# Altium PCB PCB1.PcbDoc (continued)
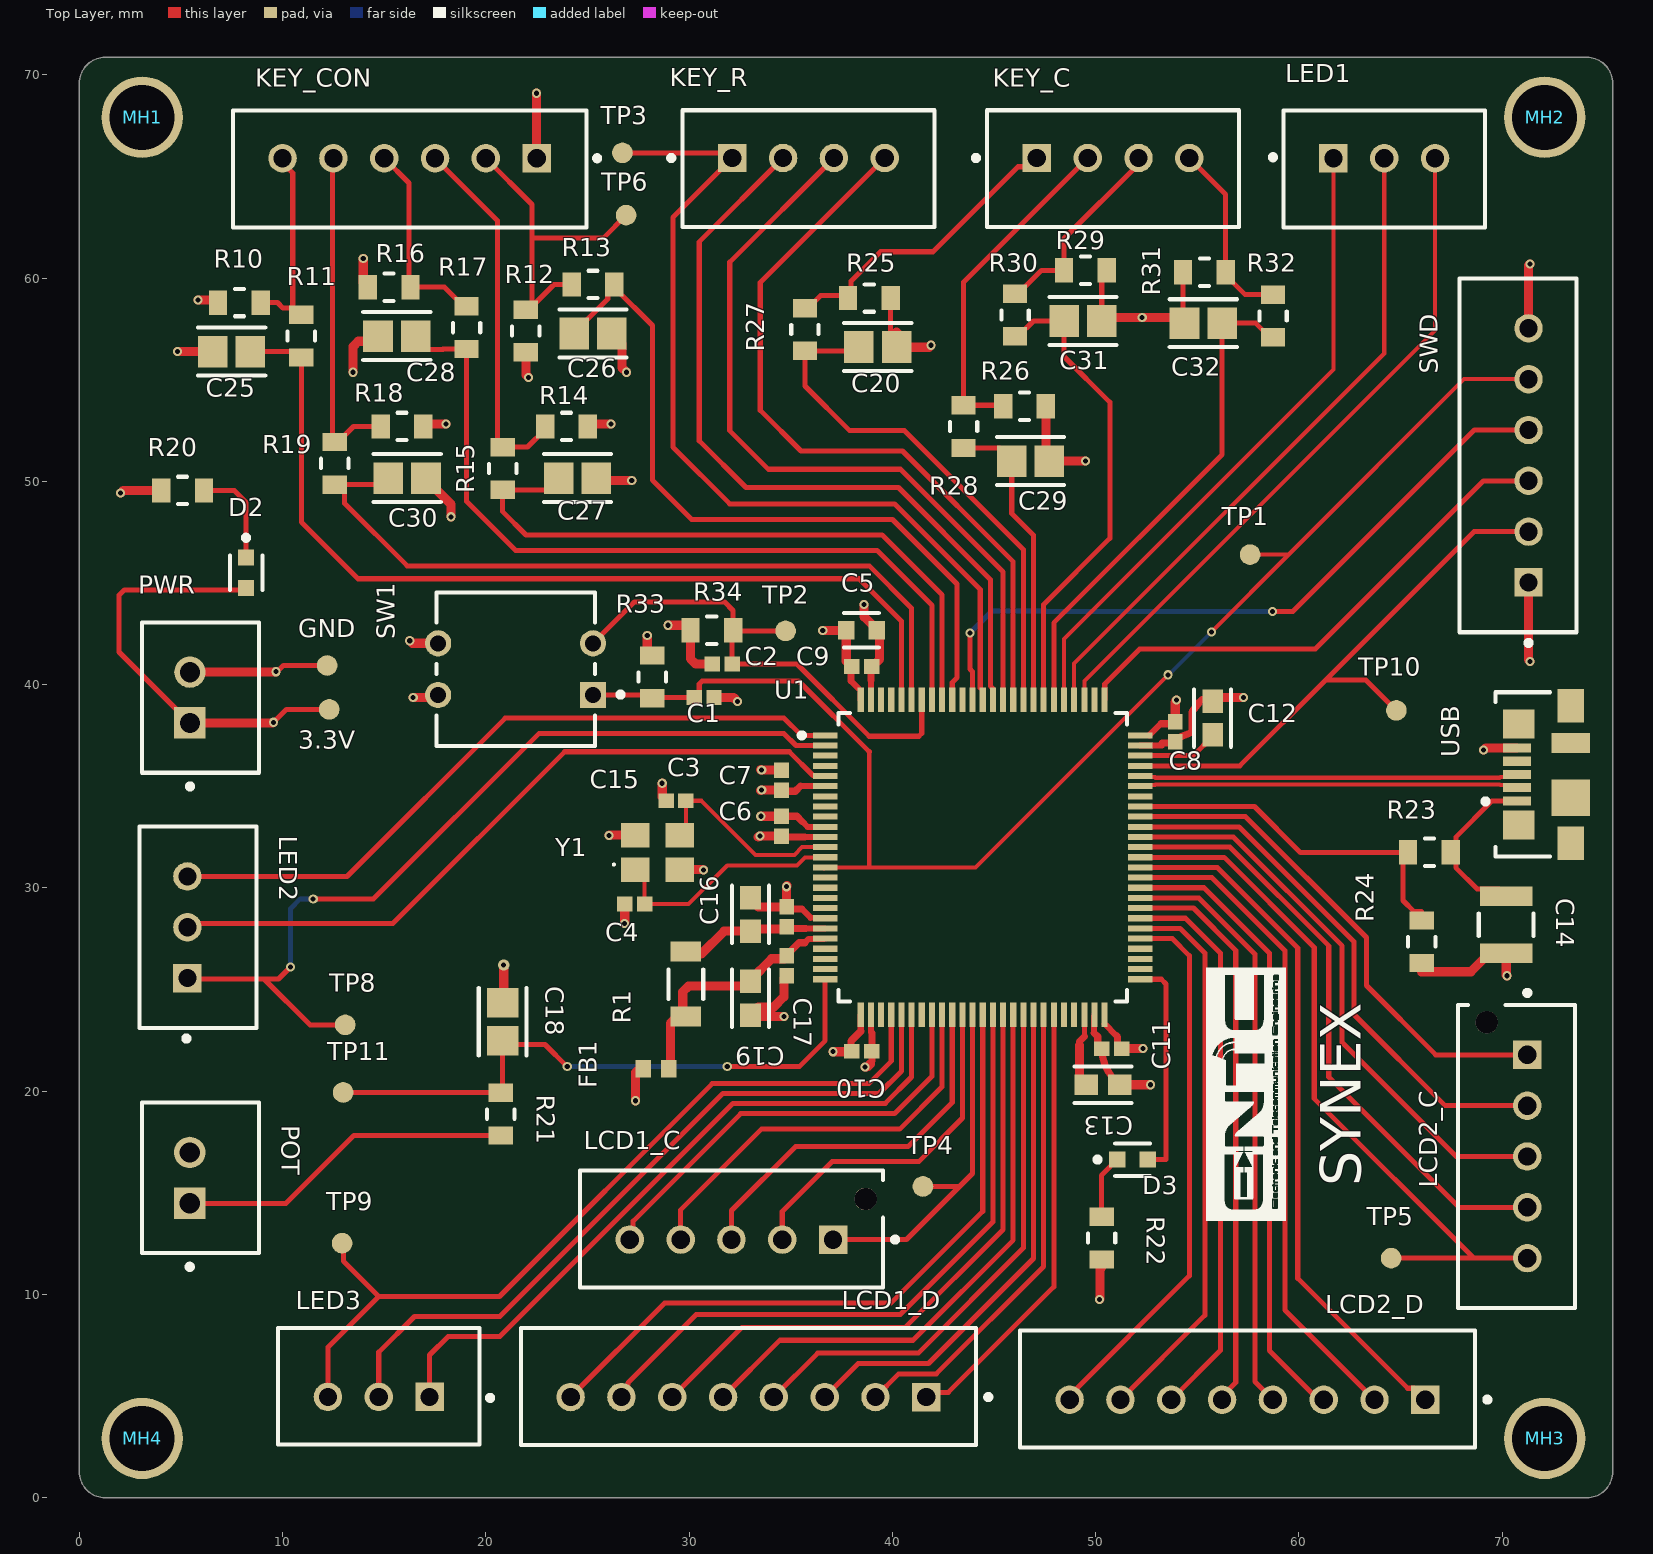
[diagram p0: Top Layer view]
## Part data (continued)
R11 R13 R15 R17 R19 R20 R22 R27 R28 R30 R32: library part CMP-03412-005404-1, "RMC08051K5%N", Manufacturer=Yageo, Manufacturer Part Number=SR0805FR-4710KL, Package=SR0805, Power Rating=0.5W, Resistance=10KΩ, Temperature="-55°C to +155°C", Temperature Range High=+155°C, Temperature Range Low=-55°C, Tolerance=0.01, Voltage Rating=150V, Automotive=Yes, Automotive Grade="Grade 0", Category=Res, ComponentLink2Description=Datasheet, ComponentLink2URL=http://www.yageo.com/documents/recent/PYu-SR_D_F%20tol_RoHS_L_3.pdf, Composition="Thick Film", Device Class L1="Passive Components", Device Class L2=Resistors, Device Class L3="Chip SMD Resistors", Digikey Description="RES SMD 0805 1/2W 1% 10K OHM", Footprint Url=http://www.yageo.com/exep/pages/download/literatures/PYu-R_Mount_10.pdf, Height=0.6mm, Ipc Land Pattern Name=RESC200125X50, Lead Free=Yes, Octopart=https://octopart.com/sr0805fr-4710kl-yageo-91478094, RoHS=TRUE, Series=SR
R21: library part CMP-03412-005404-1, "0805W8F1501T5E", Manufacturer=Yageo, Manufacturer Part Number=SR0805FR-4710KL, Package=SR0805, Power Rating=0.5W, Resistance=10KΩ, Temperature="-55°C to +155°C", Temperature Range High=+155°C, Temperature Range Low=-55°C, Tolerance=0.01, Voltage Rating=150V, Automotive=Yes, Automotive Grade="Grade 0", Category=Res, ComponentLink2Description=Datasheet, ComponentLink2URL=http://www.yageo.com/documents/recent/PYu-SR_D_F%20tol_RoHS_L_3.pdf, Composition="Thick Film", Device Class L1="Passive Components", Device Class L2=Resistors, Device Class L3="Chip SMD Resistors", Digikey Description="RES SMD 0805 1/2W 1% 10K OHM", Footprint Url=http://www.yageo.com/exep/pages/download/literatures/PYu-R_Mount_10.pdf, Height=0.6mm, Ipc Land Pattern Name=RESC200125X50, Lead Free=Yes, Octopart=https://octopart.com/sr0805fr-4710kl-yageo-91478094, RoHS=TRUE, Series=SR
R23: library part CMP-03412-005404-1, "0805W8F8202T5E", Manufacturer=Yageo, Manufacturer Part Number=SR0805FR-4710KL, Package=SR0805, Power Rating=0.5W, Resistance=10KΩ, Temperature="-55°C to +155°C", Temperature Range High=+155°C, Temperature Range Low=-55°C, Tolerance=0.01, Voltage Rating=150V, Automotive=Yes, Automotive Grade="Grade 0", Category=Res, ComponentLink2Description=Datasheet, ComponentLink2URL=http://www.yageo.com/documents/recent/PYu-SR_D_F%20tol_RoHS_L_3.pdf, Composition="Thick Film", Device Class L1="Passive Components", Device Class L2=Resistors, Device Class L3="Chip SMD Resistors", Digikey Description="RES SMD 0805 1/2W 1% 10K OHM", Footprint Url=http://www.yageo.com/exep/pages/download/literatures/PYu-R_Mount_10.pdf, Height=0.6mm, Ipc Land Pattern Name=RESC200125X50, Lead Free=Yes, Octopart=https://octopart.com/sr0805fr-4710kl-yageo-91478094, RoHS=TRUE, Series=SR
R24: library part CMP-03412-005404-1, "0805W8F3302T5E", Manufacturer=Yageo, Manufacturer Part Number=SR0805FR-4710KL, Package=SR0805, Power Rating=0.5W, Resistance=10KΩ, Temperature="-55°C to +155°C", Temperature Range High=+155°C, Temperature Range Low=-55°C, Tolerance=0.01, Voltage Rating=150V, Automotive=Yes, Automotive Grade="Grade 0", Category=Res, ComponentLink2Description=Datasheet, ComponentLink2URL=http://www.yageo.com/documents/recent/PYu-SR_D_F%20tol_RoHS_L_3.pdf, Composition="Thick Film", Device Class L1="Passive Components", Device Class L2=Resistors, Device Class L3="Chip SMD Resistors", Digikey Description="RES SMD 0805 1/2W 1% 10K OHM", Footprint Url=http://www.yageo.com/exep/pages/download/literatures/PYu-R_Mount_10.pdf, Height=0.6mm, Ipc Land Pattern Name=RESC200125X50, Lead Free=Yes, Octopart=https://octopart.com/sr0805fr-4710kl-yageo-91478094, RoHS=TRUE, Series=SR
SW1: library part CMP-03400-000012-1, "SWITCH SLIDE DIP SPST 100MA 24V", Contact Current Rating=100mA, Contact Resistance=50mΩ, Manufacturer="TE Connectivity", Temperature="-30°C to +85°C", Temperature Range High=+85°C, Temperature Range Low=-30°C, Voltage Rating Dc=24V, Automotive=No, Category=Switch, ComponentLink2Description=Datasheet, ComponentLink2URL=https://www.te.com/commerce/DocumentDelivery/DDEController?Action=srchrtrv&DocNm=1825057&DocType=Customer+Drawing&DocLang=English, Device Class L1=Electromechanical, Device Class L2=Switches, Device Class L3="DIP Switches", Digikey Description="SWITCH SLIDE DIP SPST 100MA 24V", Electromechanical Life=1000Cycles, Height=6.15mm, Lead Free=Yes, Manufacturer Part Number=1825057-1, Mount="Through Hole", Number Of Circuits=2, Octopart=https://octopart.com/1825057-1-te+connectivity-46507313, Package=1825057-1, RoHS=TRUE, Standoff Height=1.3mm, Throw Configuration=SPST
U1: library part CMP-12105-000050-1, "IC MCU 32BIT 2MB FLASH 100LQFP", Ambient Temperature Range High=+85°C, Ambient Temperature Range Low=-40°C, Frequency=480MHz, Manufacturer=STMicroelectronics, Max Junction Temp=+125°C, Max Supply Voltage=3.6V, Min Supply Voltage=1.71V, Package=LQFP100-1L, Temperature="-40°C to +125°C", Automotive=No, Category=IC, ComponentLink2Description=Datasheet, ComponentLink2URL=https://www.st.com/resource/en/datasheet/stm32h743vi.pdf, Core Architecture="Arm Cortex-M7", Data Bus Width=32bits, Device Class L1="Integrated Circuits (ICs)", Device Class L2="Embedded Processors and Controllers", Device Class L3=Microcontrollers, Digikey Description="IC MCU 32BIT 2MB FLASH 100LQFP", Height=1.6mm, Interface=I2C,SPI,UART,USART,USB,LIN,IrDA,Ethernet,I2S,Other, Ipc Land Pattern Name=QFP50P1600X1600X160-100, Lead Free=Yes, Manufacturer Part Number=STM32H743VIT6, Memory Size=2MBytes, Memory Type=FLASH, Number Of A/D Converters=3, Number Of Adc Channels=36, Number Of Cores=1, Number Of Ethernet Channels=1, Number Of I2C Channels=4, Number Of I/Os=82, Number Of Pwm Channels=42, Number Of Spi Channels=6, Number Of Timers/Counters=20, Number Of Uart Channels=9, Number Of Usb Channels=2, Octopart=https://octopart.com/stm32h743vit6-stmicroelectronics-76372527, Ram Size=1060KBytes, RoHS=TRUE, Standoff Height=0.05mm, Temperature Range High=+125°C, Temperature Range Low=-40°C
USB: library part CMP-002-00071-1, "Micro-USB B Receptacle with Flange, Bottom Mount, Surface Mount, Lead-Free", Max Operating Temperature=85°C, Min Operating Temperature=-30°C, Voltage Rating=30V, Connector Type="Receptacle, USB", Gender=Female, Mounting Technology="Surface Mount", Pins=6
Y1: "Crystal or Oscillator", Manufacturer_Name="Yangxing Tech", Datasheet Link=https://datasheet.lcsc.com/szlcsc/Yangxing-Tech-X322525MOB4SI_C9006.pdf, Height=0.8mm, Manufacturer_Part_Number=X322525MOB4SI

## Via types
v1: diameter 0.45, hole 0.25, Top Layer to Bottom Layer, 54 vias
v2: diameter 0.55, hole 0.25, Top Layer to Bottom Layer, 1 vias

## Nets (pads, with @x,y where several pads share a name; then routed paths per layer and width w, separated by ;. In a path a pad name is that pad's centre, name@x,y a point inside that pad or via, vN(x,y) a via of type N, cw(c..) or ccw(c..) an arc to the next point about the centre after c; other vN are vias at no path point)
+3.3V: 3.3V.1 C5.1 C6.2 C7.2 C8.2 C9.2 C10.2 C11.2 D2.2 FB1.1 PWR.1 R10.1 R12.1 R14.1 R16.1 R18.1 R33.2 SW1.3 SWD.1 U1.6 U1.11 U1.27 U1.50 U1.75 U1.100 | length 56
  Top Layer w0.25: PWR.1 1.956,41.608 1.956,44.406 2.219,44.669 8.069,44.669 D2.2@8.153,44.753 ; v1@9.52,38.12 v1(9.55,38.151) 10.185,38.786 3.3V.1 ; U1.11@36.692,32.512 U1.11 ; U1.50@50.445,23.309 U1.50 ; U1.75 U1.75@52.645,37.509
  Top Layer w0.3: 35.476,35.009 U1.6 ; 35.687,32.512 U1.11@36.692,32.512 ; 37.973,40.181 38.445,39.709 U1.100 ; U1.27 38.945,22.904 38.989,22.86 ; U1.50@50.445,23.309 51.021,22.733 ; U1.75@52.645,37.509 53.213,38.077
  Top Layer w0.35: C6.2 34.58,32.512 35.687,32.512 ; C7.2@34.544,34.942 34.729,34.757 35.224,34.757 35.476,35.009 ; 37.973,40.181 37.973,40.858 C9.2 ; 38.913,21.336 ccw(c38.729,21.52) 38.989,21.52 C10.2 38.989,22.86 ; 51.021,22.733 51.085,22.669 51.085,22.283 51.27,22.098 C11.2 ; 53.213,38.077 53.815,38.077 C8.2
  Top Layer w0.45: PWR.1 v1@9.52,38.12 ; v1(5.842,58.928) 6.697,58.928 R10.1 ; v1(13.97,60.96) 13.97,59.783 R16.1 ; v1(16.256,42.164) 16.383,42.037 SW1.3 ; R18.1 17.052,52.832 v1(18.034,52.832) ; R12.1 21.971,55.245 v1(22.098,55.118) ; R14.1 25.146,52.832 v1(26.162,52.832) ; v1(27.356,19.533) 27.356,20.917 FB1.1@27.546,21.107 ; v1(27.94,42.418) 27.94,41.661 28.165,41.436 R33.2 ; v1@33.401,32.512 cw(c33.488,32.425) v1(33.488,32.548) C6.2 ; v1@33.528,34.798 cw(c33.571,34.755) v1(33.571,34.816) C7.2 ; v1(36.576,42.672) C5.1 37.731,41.172 37.854,41.049 37.854,41.029 37.989,40.894 C9.2 ; v1(38.659,21.184) ccw(c38.659,21.429) 38.832,21.255 38.913,21.336 ; C11.2 v1(52.324,22.098) ; C8.2 53.915,39.098 cw(c54.12,39.098) v1(53.975,39.243) ; SWD.1 71.298,41.224 v1(71.374,41.148)
+5V: C14.1 R23.2 USB.1 | length 8.4
  Top Layer w0.25: R23.2@67.773,31.801 R23.2@67.722,31.75 ; C14.1 69.85,29.944 68.777,29.944 67.722,30.999 R23.2@67.722,31.75 ; USB.1 69.506,34.285 67.722,32.501 R23.2@67.722,31.75
B1DS: LED1.1 U1.80 | length 32.1
  Top Layer w0.2: U1.80 48.445,42.245 61.7,55.5 LED1.1
B1SHCP: LED1.2 U1.79 | length 33
  Top Layer w0.2: U1.79 48.945,41.045 64.2,56.3 LED1.2
B1STCP: LED1.3 U1.78 | length 33.8
  Top Layer w0.2: U1.78 49.445,40.174 66.7,57.429 LED1.3
B2DS: LED2.2 U1.5 | length 35.5
  Top Layer w0.25: LED2.2 5.501,28.251 15.424,28.251 23.876,36.703 34.925,36.703 36.094,35.534 36.67,35.534 U1.5
B2SHCP: LED2.3 U1.1 | length 35
  Top Layer w0.25: LED2.3 13.168,30.567 20.955,38.354 34.671,38.354 35.516,37.509 U1.1
B2STCP: LED2.1 TP8.1 U1.2 | length 43.2
  Top Layer w0.25: LED2.1 5.357,25.527 9.086,25.527 ; v1(10.389,26.111) 9.804,25.527 9.086,25.527 ; v1(11.506,29.464) 14.478,29.464 22.606,37.592 34.671,37.592 35.254,37.009 U1.2 ; TP8.1 11.346,23.266 9.086,25.527
  Bottom Layer w0.25: v1(10.389,26.111) 10.389,28.981 10.871,29.464 v1(11.506,29.464)
BOOT: C2.2 R34.2 SW1.2 TP2.1 U1.94 | length 25.6
  Top Layer w0.25: SW1.2 27.305,44.069 31.75,44.069 32.165,43.654 R34.2 ; TP2.1 32.14,42.647 32.113,42.62 C2.2 35.306,41.021 38.862,37.465 41.299,37.465 41.445,37.611 U1.94
D1_CS: LCD1_C.2 U1.36 | length 17.2
  Top Layer w0.25: LCD1_C.2 34.584,14.086 37.033,16.535 41.3,16.535 43.445,18.68 U1.36
D1_D0: LCD1_D.8 U1.38 | length 33.7
  Top Layer w0.25: LCD1_D.8 28.789,9.572 39.925,9.572 44.445,14.092 U1.38
D1_D1: LCD1_D.7 U1.39 | length 32.3
  Top Layer w0.25: LCD1_D.7 26.67,5.264 26.99,5.584 26.99,5.654 30.353,9.017 40.386,9.017 44.945,13.576 U1.39
D1_D2: LCD1_D.6 U1.40 | length 30.3
  Top Layer w0.25: LCD1_D.6 32.599,8.382 40.64,8.382 45.445,13.187 U1.40
D1_D3: LCD1_D.5 U1.41 | length 28.6
  Top Layer w0.25: LCD1_D.5 34.464,7.747 41.021,7.747 45.945,12.671 U1.41
D1_D4: LCD1_D.4 U1.42 | length 26.8
  Top Layer w0.25: LCD1_D.4 36.329,7.112 41.275,7.112 46.445,12.282 U1.42
D1_D5: LCD1_D.3 U1.43 | length 25.2
  Top Layer w0.25: LCD1_D.3 36.67,5.174 36.891,5.174 38.321,6.604 41.783,6.604 46.945,11.766 U1.43
D1_D6: LCD1_D.2 U1.44 | length 23.3
  Top Layer w0.25: LCD1_D.2 40.313,6.096 42.164,6.096 47.445,11.377 U1.44
D1_D7: LCD1_D.1 U1.45 | length 21.9
  Top Layer w0.25: LCD1_D.1 41.901,5.184 42.751,5.184 47.945,10.379 U1.45
D1_RD: LCD1_C.5 U1.33 | length 21.6
  Top Layer w0.25: LCD1_C.5 27.247,12.863 27.247,13.608 32.537,18.898 40.107,18.898 41.945,20.736 U1.33
D1_RS: LCD1_C.3 U1.35 | length 18.8
  Top Layer w0.25: LCD1_C.3 32.084,14.126 35.23,17.272 40.767,17.272 42.945,19.45 U1.35
D1_RST: LCD1_C.1 TP4.1 U1.37 | length 17.9
  Top Layer w0.25: LCD1_C.1 40.691,12.7 43.357,15.366 ; TP4.1 43.307,15.316 43.357,15.366 ; U1.37 43.945,15.954 43.357,15.366
D1_WR: LCD1_C.4 U1.34 | length 20.4
  Top Layer w0.25: LCD1_C.4 29.584,14.166 33.553,18.136 40.361,18.136 42.445,20.22 U1.34
D2_CS: LCD2_C.2 U1.66 | length 26.8
  Top Layer w0.25: U1.66 57.06,33.009 62.713,27.356 62.713,23.774 67.198,19.289 LCD2_C.2
D2_D0: LCD2_D.8 U1.55 | length 27
  Top Layer w0.25: LCD2_D.8 48.721,5.033 54.61,10.922 54.61,26.67 53.771,27.509 U1.55
D2_D1: LCD2_D.7 U1.56 | length 27.4
  Top Layer w0.25: LCD2_D.7 55.372,8.977 55.372,26.797 54.16,28.009 U1.56
D2_D2: LCD2_D.6 U1.57 | length 27.6
  Top Layer w0.25: U1.57 54.422,28.509 56.134,26.797 56.134,7.239 LCD2_D.6
D2_D3: LCD2_D.5 U1.58 | length 27.9
  Top Layer w0.25: U1.58 54.811,29.009 56.896,26.924 56.896,5.671 56.221,4.996 LCD2_D.5
D2_D4: LCD2_D.4 U1.59 | length 29.1
  Top Layer w0.25: U1.59 55.073,29.509 57.832,26.75 57.832,5.715 LCD2_D.4
D2_D5: LCD2_D.3 U1.60 | length 30.9
  Top Layer w0.25: U1.60 55.335,30.009 58.547,26.797 58.547,7.239 60.96,4.826 LCD2_D.3
D2_D6: LCD2_D.2 U1.61 | length 32.5
  Top Layer w0.25: U1.61 55.724,30.509 59.309,26.924 59.309,9.238 LCD2_D.2
D2_D7: LCD2_D.1 U1.62 | length 34.4
  Top Layer w0.25: U1.62 55.986,31.009 59.944,27.051 59.944,10.795 65.352,5.387 65.66,5.387 LCD2_D.1
D2_RD: LCD2_C.5 TP5.1 U1.63 | length 35.6
  Top Layer w0.25: U1.63 56.324,31.509 60.757,27.076 60.757,19.634 68.602,11.789 ; TP5.1 68.598,11.786 68.602,11.789 ; LCD2_C.5 68.602,11.789
D2_RS: LCD2_C.3 U1.65 | length 28.3
  Top Layer w0.25: U1.65 56.772,32.509 62.128,27.153 62.128,22.403 67.742,16.789 LCD2_C.3
D2_RST: LCD2_C.1 U1.67 | length 25.3
  Top Layer w0.25: U1.67 57.372,33.509 63.322,27.559 63.322,25.197 66.73,21.789 LCD2_C.1
D2_WR: LCD2_C.4 U1.64 | length 30.2
  Top Layer w0.25: U1.64 56.612,32.009 61.468,27.153 61.468,20.701 67.88,14.289 LCD2_C.4
DOWN: C27.1 R15.1 U1.92 | length 32.5
  Top Layer w0.25: C27.1 23.009,49.589 R15.1 20.828,48.514 21.971,47.371 39.497,47.371 42.445,44.423 U1.92
DOWN_I: KEY_CON.3 R14.2 R15.2 | length 18.2
  Top Layer w0.25: KEY_CON.3 20.574,62.826 20.574,51.943 R15.2 22.053,51.689 22.919,52.555 R14.2
GND: C1.1 C2.1 C3.2 C4.1 C5.2 C6.1 C7.1 C8.1 C9.1 C10.1 C11.1 C12.2 C13.2 C14.2 C15.1 C16.2 C17.1 C18.2 C19.2 C20.2 C25.2 C26.2 C27.2 C28.2 C29.2 C30.2 C31.2 C32.2 GND.1 KEY_CON.1 PWR.2 R20.1 R22.1 R24.1 R25.1 R26.1 R29.1 R31.1 R34.1 SW1.4 SWD.6 U1.10 U1.19 U1.26 U1.49 U1.74 U1.99 USB.5 Y1.2 Y1.4 | length 101.5
  Top Layer w0.25: v1(9.677,40.64) 9.732,40.64 10.036,40.945 GND.1 ; 35.982,28.534 36.67,28.534 U1.19 ; R25.1 39.916,56.903 C20.2 ; U1.49@49.92,23.734 U1.49 ; C31.2@50.3,58.121 50.3,60.135 R29.1 ; C32.2@54.3,57.859 R31.1
  Top Layer w0.3: 35.56,28.956 35.982,28.534 ; 35.56,33.274 35.825,33.009 U1.10 ; 38.445,22.951 U1.26 ; U1.99 38.945,40.215 ; 49.92,22.869 U1.49@49.92,23.734 ; U1.74 53.265,37.009 53.265,37.136
  Top Layer w0.35: C6.1 35.306,33.528 35.56,33.274 ; C15.1 34.907,28.956 35.56,28.956 ; C10.1 37.973,22.007 37.973,22.479 38.445,22.951 ; 38.945,40.215 38.945,40.85 C9.1 ; 49.92,22.869 50.105,22.685 50.105,22.283 50.29,22.098 C11.1 ccw(c52.492,22.098) 50.949,20.555 C13.2 ; 53.265,37.136 C8.1@53.874,37.136 ; C8.1 54.1,37.401 54.737,37.662 54.737,38.663 55.115,39.148 55.232,39.265 55.421,39.265 C12.2
  Top Layer w0.45: v1(2.032,49.428) 2.159,49.555 R20.1 ; v1(4.826,56.388) C25.2 ; PWR.2 9.657,40.62 v1(9.677,40.64) ; v1(13.462,55.372) 13.462,56.632 13.726,56.896 14.441,56.896 C28.2 ; v1(16.425,39.37) 17.526,39.37 SW1.4 ; C30.2 17.055,50.114 18.288,48.881 v1(18.288,48.26) ; C18.2 20.879,24.395 v2(20.879,26.213) ; KEY_CON.1 v1(22.5,69.1) ; C27.2 25.564,50.038 v1(27.178,50.038) ; v1(26.06,32.588) 26.072,32.6 Y1.4 ; C26.2 26.701,56.775 26.701,55.595 v1(26.924,55.372) ; v1(26.822,28.245) 26.833,28.255 C4.1 ; v1(28.677,35.154) 28.677,34.478 28.71,34.445 28.71,34.425 28.845,34.29 C3.2 ; v1(28.956,42.926) 29.84,42.926 R34.1@30.065,42.701 ; Y1.2 30.695,30.9 v1(30.709,30.886) ; R34.1 30.065,41.285 30.329,41.021 C2.1 ; C1.1 32.182,39.37 v1(32.385,39.167) ; C19.2 ccw(c33.197,23.923) 33.197,23.673 v1(34.671,23.673) ; C19.2@33.02,23.819 33.301,24.1 33.374,24.1 33.404,24.13 34.153,24.13 34.663,24.64 34.663,25.555 C17.1 ; C16.2 33.02,29.456 33.411,29.065 C15.1 v1(34.798,30.063) cw(c34.885,30.063) v1@34.823,30.124 ; v1(33.528,33.528) C6.1 ; v1@33.528,35.814 ccw(c33.571,35.857) v1(33.571,35.796) C7.1 ; v1(37.084,21.946) 37.948,21.946 ccw(c37.948,22.032) C10.1 ; v1(38.608,43.942) 38.608,43.345 39.231,42.722 C5.2 39.37,42.533 39.37,41.255 39.009,40.894 C9.1 ; C20.2 C20.2@40.5,56.319 ; C20.2@40.207,57.34 40.545,57.001 C20.2@40.545,56.365 ; C20.2@40.545,56.436 40.709,56.6 41.8,56.6 v1(41.9,56.7) ; R26.1 47.55,51.176 C29.2 v1(49.5,51) ; v1(50.19,9.754) 50.216,9.779 50.216,11.248 R22.1@50.292,11.324 ; C31.2@50.3,58.121 50.363,58.058 v1(52.29,58.058) 54.101,58.058 C32.2 C32.2@54.3,57.859 ; C13.2 v1(52.705,20.32) ; C12.2 cw(c56.209,38.725) 56.209,39.37 v1(57.277,39.37) ; R24.1@66.04,25.879 68.46,25.879 69.375,26.794 C14.2 70.2,25.711 v1(70.231,25.679) ; v1(69.088,36.779) 69.194,36.885 USB.5 ; SWD.6 71.298,60.63 v1(71.374,60.706)
K_C1: C20.1 R27.1 U1.84 | length 25.9
  Top Layer w0.25: C20.1 38.169,56.426 R27.1 35.7,54.7 37.9,52.5 40.6,52.5 46.445,46.655 U1.84
K_C1_I: KEY_C.1 R25.2 R27.2 | length 15
  Top Layer w0.25: R27.2 35.85,58.526 36.476,59.152 37.689,59.152 R25.2 ; R25.2@37.752,59.025 37.752,59.152 37.969,59.369 37.969,59.854 39.416,61.3 42,61.3 46.181,65.481 46.678,65.481 KEY_C.1
K_C2: C29.1 R28.1 U1.83 | length 14.9
  Top Layer w0.25: R28.1 45.272,51.65 45.874,51.048 C29.1 45.874,48.426 46.945,47.355 U1.83
K_C2_I: KEY_C.2 R26.2 R28.2 | length 16.7
  Top Layer w0.25: R26.2 45.4,53.75 R28.2 43.5,59.803 KEY_C.2
K_C3: C31.1 R30.1 U1.82 | length 24.7
  Top Layer w0.25: R30.1@45.781,56.886 R30.1 46.185,57.14 46.939,57.894 C31.1 ; U1.82 47.445,43.945 50.7,47.2 50.7,53.9 48.448,56.152 C31.1 ; C31.1@48.448,58.553 C31.1
K_C3_I: KEY_C.3 R29.2 R30.2 | length 9.9
  Top Layer w0.25: R30.2 46.185,59.24 47.328,60.383 R29.2 48.448,61.948 52.11,65.61 KEY_C.3
K_C4: C32.1 R32.1 U1.81 | length 24.7
  Top Layer w0.25: U1.81 47.945,43.045 56.225,51.325 C32.1 57.884,57.785 58.578,57.091 R32.1
K_C4_I: KEY_C.4 R31.2 R32.2 | length 9.2
  Top Layer w0.25: KEY_C.4 56.4,64.123 R31.2 56.4,60.15 57.359,59.191 R32.2
K_R1: KEY_R.1 TP3.1 U1.88 | length 44.4
  Top Layer w0.25: TP3.1 31.87,66.167 KEY_R.1 29.2,62.989 29.2,51.696 31.996,48.9 40.1,48.9 44.322,44.678 44.322,39.832 44.445,39.709 U1.88
K_R2: KEY_R.2 U1.87 | length 38.7
  Top Layer w0.25: KEY_R.2 30.5,61.789 30.5,52 32.8,49.7 40.3,49.7 44.822,45.178 44.822,39.928 44.92,39.83 44.92,39.284 U1.87
K_R3: KEY_R.3 U1.86 | length 38.2
  Top Layer w0.25: KEY_R.3 32,60.789 32,52.5 33.9,50.6 40.4,50.6 45.445,45.555 U1.86
K_R4: KEY_R.4 U1.85 | length 37.3
  Top Layer w0.25: KEY_R.4 33.5,59.789 33.5,53.5 35.5,51.5 40.5,51.5 45.945,46.055 U1.85
LEFT: C28.1 R17.1 U1.93 | length 40
  Top Layer w0.25: C28.1 16.547,57.099 17.149,56.497 17.874,56.497 17.88,56.492 17.903,56.515 R17.1 19.05,49.022 21.463,46.609 39.243,46.609 41.945,43.907 U1.93
LEFT_I: KEY_CON.4 R16.2 R17.2 | length 10
  Top Layer w0.25: KEY_CON.4 16.216,64.684 16.216,59.637 R16.2 17.952,59.563 18.9,58.615 R17.2
NetC3_1: C3.1 U1.12 Y1.3 | length 9.9
  Top Layer w0.2: Y1.3 29.845,32.897 C3.1 30.607,34.29 33.274,31.623 35.177,31.623 35.563,32.009 U1.12
NetC4_2: C4.2 U1.13 Y1.1 | length 11.7
  Top Layer w0.2: Y1.1 27.813,30.435 C4.2 29.972,29.21 31.877,31.115 35.306,31.115 35.7,31.509 U1.13
NetC12_1: C12.1 U1.73 | length 4
  Top Layer w0.25: U1.73 54.808,36.509 55.753,37.454 C12.1
NetC13_1: C13.1 U1.48 | length 3.7
  Top Layer w0.25: 49.445,22.699 U1.48
  Top Layer w0.35: 49.2,22.25 49.2,22.454 49.445,22.699
  Top Layer w0.45: 49.2,22.25 49.2,20.601 49.481,20.32 C13.1
NetC15_2: C15.2 C16.1 R1.2 U1.20 | length 7.4
  Top Layer w0.3: 35.756,28.009 U1.20
  Top Layer w0.35: C15.2 34.874,28.009 35.756,28.009
  Top Layer w0.45: R1.2@29.845,26.75 30.595,26.75 31.72,27.875 C16.1 33.125,27.98 34.693,27.98 C15.2
NetC17_2: C17.2 C19.1 FB1.2 R1.1 U1.21 | length 12
  Top Layer w0.25: U1.21@36.67,27.484 U1.21
  Top Layer w0.3: 35.687,27.305 35.866,27.484 U1.21@36.67,27.484
  Top Layer w0.35: C17.2@34.798,26.69 35.413,27.305 35.687,27.305
  Top Layer w0.45: FB1.2@29.082,21.336 29.082,23.342 29.536,23.796 R1.1@29.845,23.796 ; R1.1@29.687,23.954 29.687,24.886 29.972,25.171 32.791,25.171 C19.1 ; C19.1@33.02,25.473 34.062,26.515 34.663,26.515 34.798,26.65 C17.2
NetD2_1: D2.1 R20.2 | length 5
  Top Layer w0.25: R20.2 7.62,49.555 8.204,48.971 D2.1
NetD3_1: D3.1 R22.2 | length 2.7
  Top Layer w0.25: R22.2@50.292,14.224 50.292,15.863 D3.1
NetPOT_1: POT.1 R21.2 | length 16.7
  Top Layer w0.25: POT.1 10.169,14.487 13.504,17.822 R21.2
NRST: C1.2 R33.1 SW1.1 SWD.5 TP1.1 U1.14 | length 68
  Top Layer w0.2: R33.1@28.033,39.497 R33.1 ; U1.14@36.645,30.959 U1.14 38.862,31.009 ; 38.862,36.703 38.862,31.009 ; v1(53.569,40.488) 44.09,31.009 38.862,31.009 ; v1(55.7,42.6) 59.55,46.45 ; TP1.1 59.5,46.4 59.55,46.45 ; SWD.5 68.131,55.031 59.55,46.45
  Top Layer w0.25: SW1.1 R33.1@28.033,39.497 ; R33.1 28.228,39.37 30.264,39.37 30.499,39.605 30.499,40.036 30.645,40.183 35.382,40.183 38.862,36.703
  Bottom Layer w0.2: v1(53.569,40.488) 53.578,40.488 55.691,42.6 v1(55.7,42.6)
OK: C25.1 R11.1 U1.96 | length 46.1
  Top Layer w0.25: C25.1 10.634,56.388 R11.1 10.922,48.006 13.716,45.212 38.354,45.212 40.445,43.121 U1.96
OK_I: KEY_CON.6 R10.2 R11.2 | length 9.9
  Top Layer w0.25: R10.2 9.749,58.801 10.025,58.525 R11.2@10.5,58.525 ; KEY_CON.6 10,65.679 10.5,65.179 R11.2@10.5,58.525 ; R11.2 R11.2@10.597,58.525 ; R11.2@10.5,58.525 R11.2@10.597,58.525 ; R11.2@10.5,58.525 R11.2@10.597,58.525
P1: C18.1 R21.1 TP11.1 U1.25 | length 30.3
  Top Layer w0.25: TP11.1 20.71,19.939 R21.1 20.828,20.024 C18.1 21.02,22.301 22.911,22.301 v1(24.003,21.209) ; v1(31.877,21.209) 35.418,21.209 36.695,22.487 U1.25
  Bottom Layer w0.25: v1(24.003,21.209) v1(31.877,21.209)
RIGHT: C30.1 R19.1 U1.95 | length 38.5
  Top Layer w0.25: C30.1 14.881,49.843 R19.1 12.723,49.843 13.048,49.518 13.048,48.928 16.129,45.847 38.862,45.847 40.945,43.764 U1.95
RIGHT_I: KEY_CON.5 R18.2 R19.2 | length 16.6
  Top Layer w0.25: KEY_CON.5 12.446,65.846 12.446,52.07 R19.2 12.723,51.943 13.485,52.705 R18.2
S1DS: LED3.1 U1.31 | length 34.5
  Top Layer w0.25: LED3.1 17.232,7.021 18.146,7.936 20.686,7.936 32.156,19.406 39.649,19.406 40.945,20.701 U1.31
S2SHCP: LED3.3 TP9.1 U1.29 | length 41.6
  Top Layer w0.25: LED3.3 12.232,7.406 14.732,9.906 ; TP9.1 12.999,12.452 12.999,11.639 14.732,9.906 ; U1.29 39.945,21.479 38.837,20.371 31.14,20.371 20.676,9.906 14.732,9.906
S2STCP: LED3.2 U1.30 | length 36.4
  Top Layer w0.25: LED3.2 14.732,7.163 16.485,8.915 20.689,8.915 31.662,19.888 39.345,19.888 40.445,20.989 U1.30
SWCLK: SWD.3 U1.76 | length 25.8
  Top Layer w0.25: U1.76 50.449,39.263 50.449,40.035 52.172,41.758 60.808,41.758 69.081,50.031 SWD.3
SWDIO: SWD.2 TP10.1 U1.72 | length 28
  Top Layer w0.25: U1.72 57.091,36.009 61.319,40.237 ; TP10.1 63.293,40.237 61.319,40.237 ; SWD.2 68.613,47.531 61.319,40.237
SWO: SWD.4 U1.89 | length 35
  Top Layer w0.25: v1(43.815,42.545) 43.815,40.767 43.945,40.637 U1.89 ; v1(58.7,43.6) 59.7,43.6 68.631,52.531 SWD.4
  Bottom Layer w0.25: v1(43.815,42.545) 44.9,43.63 47.556,43.63 47.586,43.6 v1(58.7,43.6)
Test: D3.2 U1.51 | length 10.9
  Top Layer w0.25: U1.51 53.231,25.509 53.467,25.273 53.467,16.637 D3.2
UP: C26.1 R13.1 U1.91 | length 36.5
  Top Layer w0.25: C26.1 24.347,57.328 25.998,58.979 25.998,59.365 R13.1 26.323,59.54 28.194,57.669 28.194,50.063 30.124,48.133 40.005,48.133 43.18,44.958 43.18,40.348 42.945,40.113 U1.91
UP_I: KEY_CON.2 R12.2 R13.2 TP6.1 | length 15.7
  Top Layer w0.25: KEY_CON.2 22.271,63.629 22.271,61.971 ; R13.2 23.357,59.69 22.271,58.604 22.271,61.971 ; TP6.1 25.771,61.971 22.271,61.971
USBD_N: U1.70 USB.2 | length 18.6
  Top Layer w0.2: U1.70 52.245,35.059 52.92,35.059 52.956,35.095 61.576,35.095 61.577,35.096 69.87,35.096 69.906,35.06 70.596,35.06 USB.2
USBD_P: U1.71 USB.3 | length 18.6
  Top Layer w0.2: U1.71 52.245,35.459 52.92,35.459 52.956,35.422 61.441,35.422 61.441,35.423 69.87,35.423 69.906,35.46 70.596,35.46 USB.3
VBUS_Sense: R23.1 R24.2 U1.68 | length 17.4
  Top Layer w0.25: U1.68 57.812,34.009 60.071,31.75 65.12,31.75 65.12,29.379 65.67,28.829 R24.2@66.04,28.829
pads on no net: LCD1_C. LCD2_C. MH1.1 MH2.4 MH3.3 MH4.2 POT.2 U1.3 U1.4 U1.7 U1.8 U1.9 U1.15 U1.16 U1.17 U1.18 U1.22 U1.23 U1.24 U1.28 U1.32 U1.46 U1.47 U1.52 U1.53 U1.54 U1.69 U1.77 U1.90 U1.97 U1.98 USB.4 USB.6 USB.7 USB.8 USB.9 USB.10 USB.11

## Polygon pours and split planes (outlines as drawn)
GND on Int1 (GND) "GND_L02_P000" (solid, pour order 0): 0,1.27 0,69.596 cw(c1.27,69.596) 1.27,70.866 74.168,70.866 cw(c74.168,69.596) 75.438,69.596 75.438,1.27 cw(c74.168,1.27) 74.168,0 1.27,0 cw(c1.27,1.27)
+3.3V on Int2 (PWR) "+3.3V_L03_P001" (solid, pour order 1): 0,1.27 0,69.596 cw(c1.27,69.596) 1.27,70.866 74.168,70.866 cw(c74.168,69.596) 75.438,69.596 75.438,1.27 cw(c74.168,1.27) 74.168,0 1.27,0 cw(c1.27,1.27)

## Silkscreen, mask and mechanical layers (free items; w line width, h text height)
Top Overlay:
  region: 5 vertices and 48 holes, not listed, extent 55.431,13.635 59.364,26.081
  text "SYNEX" at 63.043,15.316 h2 r90
Mechanical 1:
  lines w0.254: 0,1.27 ccw(c1.27,1.27) 1.27,0 73.152,0 74.168,0 ccw(c74.168,1.27) 75.438,1.27 75.438,67.818 75.438,69.596 ccw(c74.168,69.596) 74.168,70.866 3.048,70.866 1.27,70.866 ccw(c1.27,69.596) 0,69.596 0,2.794 0,1.27